# KiCad board EOutside.kicad_pcb (continued)
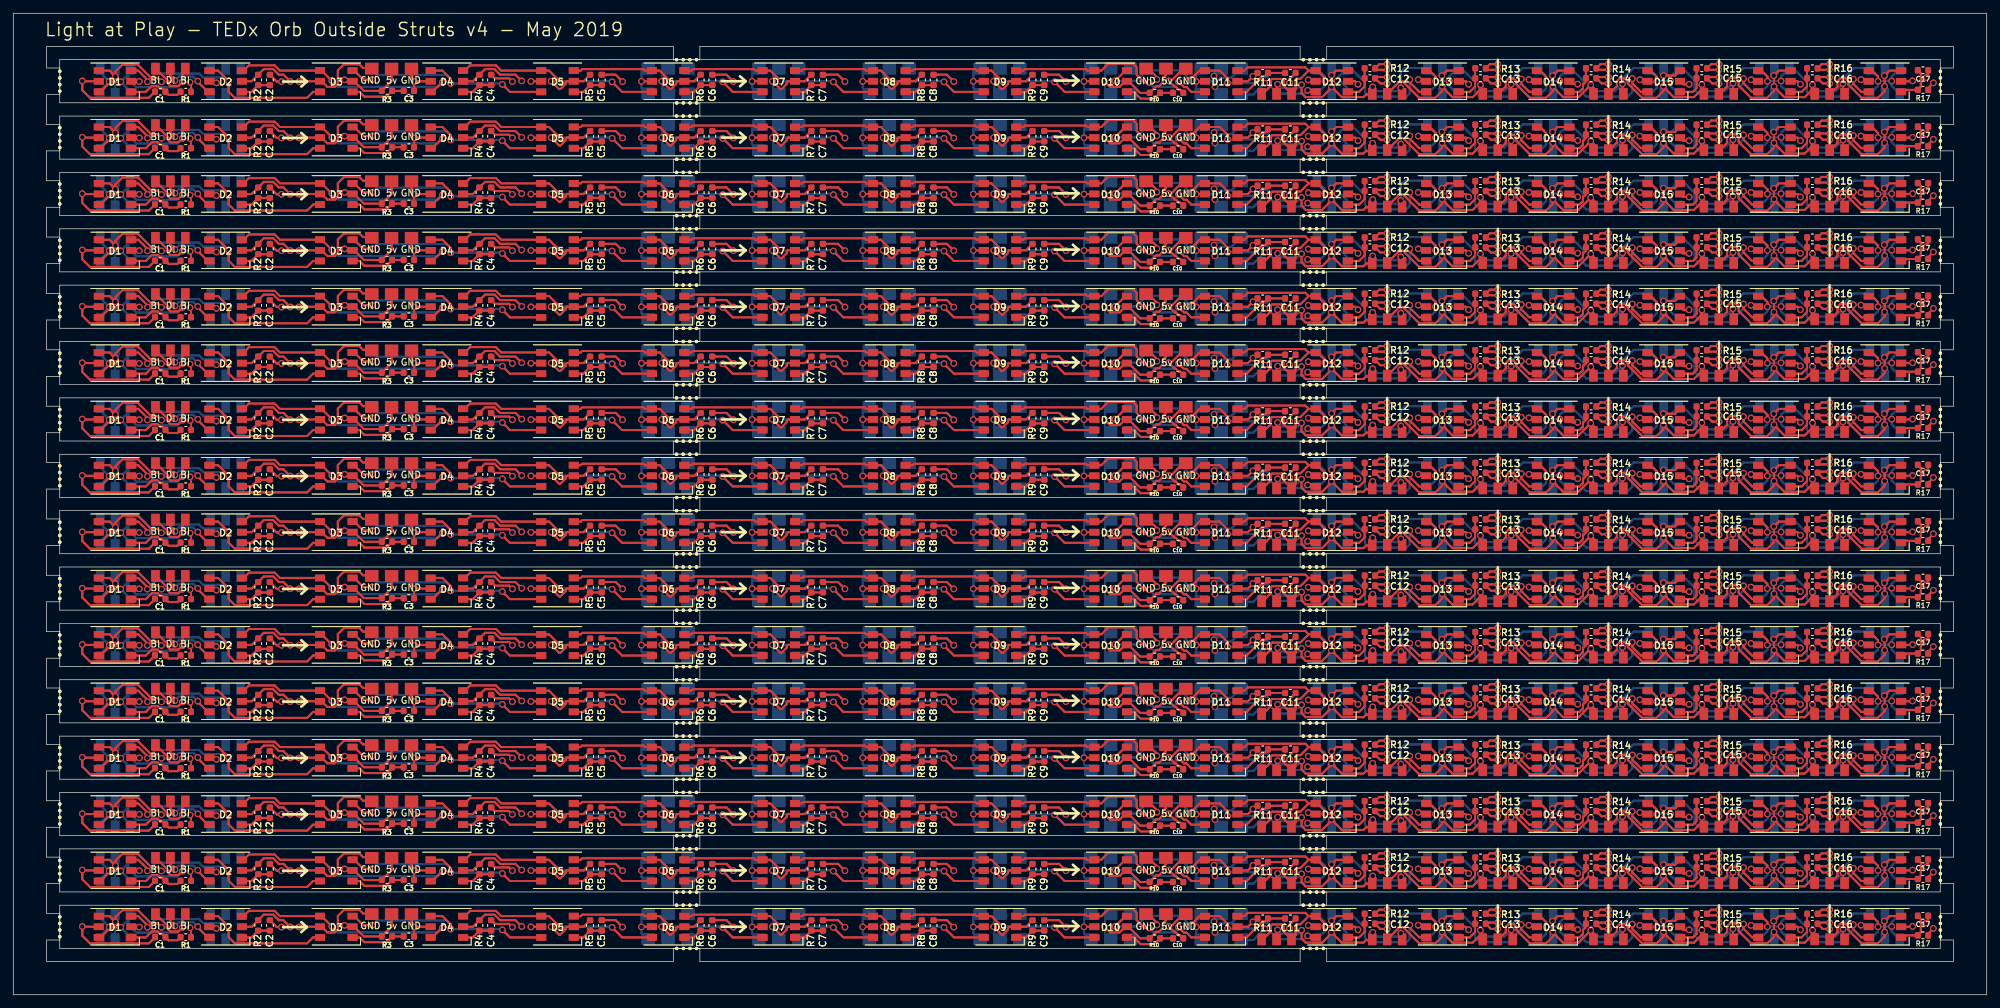
[diagram p0: board, top side]
## Routing (per net, layer and track width the routed paths; a pad name or vN(x,y) marks a point on that pad's centre or on a via; arc(x,y) is an arc through that point) (continued)
Net-(C1-Pad1): length 273.4
  Top w0.3: 24.74,127.21 R1#2.2 24.74,127.21 ; 24.74,127.21 23.4,127.21 ; 24.74,127.21 23.4,127.21 ; 23.39,127.22 C1#2.1 ; 23.39,127.22 23.4,127.21 ; 23.39,127.22 C1#2.1 ; 23.39,127.22 23.4,127.21 ; C1#2.1 22.47,128.14 ; C1#2.1 22.47,128.14 ; 22.47,128.14 22.16,128.14 ; 22.47,128.14 22.16,128.14 ; 22.16,128.14 21.75,128.56 ; 22.16,128.14 21.75,128.56 ; 21.75,128.56 20.88,128.56 ; 21.75,128.56 20.88,128.56 ; 19.97,127.65 20.88,128.56 ; 19.97,127.65 D1#2.1 19.97,127.65 ; 19.97,127.65 20.88,128.56 ; 24.74,118.71 R1#3.2 24.74,118.71 ; 24.74,118.71 23.4,118.71 ; 24.74,118.71 23.4,118.71 ; 23.39,118.72 C1#3.1 ; 23.39,118.72 23.4,118.71 ; 23.39,118.72 C1#3.1 ; 23.39,118.72 23.4,118.71 ; C1#3.1 22.47,119.64 ; C1#3.1 22.47,119.64 ; 22.47,119.64 22.16,119.64 ; 22.47,119.64 22.16,119.64 ; 22.16,119.64 21.75,120.06 ; 22.16,119.64 21.75,120.06 ; 21.75,120.06 20.88,120.06 ; 21.75,120.06 20.88,120.06 ; 19.97,119.15 20.88,120.06 ; 19.97,119.15 D1#4.1 19.97,119.15 ; 19.97,119.15 20.88,120.06 ; 24.74,110.21 R1#4.2 24.74,110.21 ; 24.74,110.21 23.4,110.21 ; 24.74,110.21 23.4,110.21 ; 23.39,110.22 C1#4.1 ; 23.39,110.22 23.4,110.21 ; 23.39,110.22 C1#4.1 ; 23.39,110.22 23.4,110.21 ; C1#4.1 22.47,111.14 ; C1#4.1 22.47,111.14 ; 22.47,111.14 22.16,111.14 ; 22.47,111.14 22.16,111.14 ; 22.16,111.14 21.75,111.56 ; 22.16,111.14 21.75,111.56 ; 21.75,111.56 20.88,111.56 ; 21.75,111.56 20.88,111.56 ; 19.97,110.65 20.88,111.56 ; 19.97,110.65 D1#3.1 19.97,110.65 ; 19.97,110.65 20.88,111.56 ; 24.74,135.71 R1.2 24.74,135.71 ; 24.74,135.71 23.4,135.71 ; 24.74,135.71 23.4,135.71 ; 23.39,135.72 C1.1 ; 23.39,135.72 23.4,135.71 ; 23.39,135.72 C1.1 ; 23.39,135.72 23.4,135.71 ; C1.1 22.47,136.64 ; C1.1 22.47,136.64 ; 22.47,136.64 22.16,136.64 ; 22.47,136.64 22.16,136.64 ; 22.16,136.64 21.75,137.06 ; 22.16,136.64 21.75,137.06 ; 21.75,137.06 20.88,137.06 ; 21.75,137.06 20.88,137.06 ; 19.97,136.15 20.88,137.06 ; 19.97,136.15 D1.1 19.97,136.15 ; 19.97,136.15 20.88,137.06 ; 24.74,101.71 R1#11.2 24.74,101.71 ; 24.74,101.71 23.4,101.71 ; 24.74,101.71 23.4,101.71 ; 23.39,101.72 C1#11.1 ; 23.39,101.72 23.4,101.71 ; 23.39,101.72 C1#11.1 ; 23.39,101.72 23.4,101.71 ; C1#11.1 22.47,102.64 ; C1#11.1 22.47,102.64 ; 22.47,102.64 22.16,102.64 ; 22.47,102.64 22.16,102.64 ; 22.16,102.64 21.75,103.06 ; 22.16,102.64 21.75,103.06 ; 21.75,103.06 20.88,103.06 ; 21.75,103.06 20.88,103.06 ; 19.97,102.15 20.88,103.06 ; 19.97,102.15 D1#14.1 19.97,102.15 ; 19.97,102.15 20.88,103.06 ; 24.74,93.21 R1#14.2 24.74,93.21 ; 24.74,93.21 23.4,93.21 ; 24.74,93.21 23.4,93.21 ; 23.39,93.22 C1#15.1 ; 23.39,93.22 23.4,93.21 ; 23.39,93.22 C1#15.1 ; 23.39,93.22 23.4,93.21 ; C1#15.1 22.47,94.14 ; C1#15.1 22.47,94.14 ; 22.47,94.14 22.16,94.14 ; 22.47,94.14 22.16,94.14 ; 22.16,94.14 21.75,94.56 ; 22.16,94.14 21.75,94.56 ; 21.75,94.56 20.88,94.56 ; 21.75,94.56 20.88,94.56 ; 19.97,93.65 20.88,94.56 ; 19.97,93.65 D1#11.1 19.97,93.65 ; 19.97,93.65 20.88,94.56 ; 24.74,76.21 R1#13.2 24.74,76.21 ; 24.74,76.21 23.4,76.21 ; 24.74,76.21 23.4,76.21 ; 23.39,76.22 C1#10.1 ; 23.39,76.22 23.4,76.21 ; 23.39,76.22 C1#10.1 ; 23.39,76.22 23.4,76.21 ; C1#10.1 22.47,77.14 ; C1#10.1 22.47,77.14 ; 22.47,77.14 22.16,77.14 ; 22.47,77.14 22.16,77.14 ; 22.16,77.14 21.75,77.56 ; 22.16,77.14 21.75,77.56 ; 21.75,77.56 20.88,77.56 ; 21.75,77.56 20.88,77.56 ; 19.97,76.65 20.88,77.56 ; 19.97,76.65 D1#9.1 19.97,76.65 ; 19.97,76.65 20.88,77.56 ; 24.74,84.71 R1#9.2 24.74,84.71 ; 24.74,84.71 23.4,84.71 ; 24.74,84.71 23.4,84.71 ; 23.39,84.72 C1#9.1 ; 23.39,84.72 23.4,84.71 ; 23.39,84.72 C1#9.1 ; 23.39,84.72 23.4,84.71 ; C1#9.1 22.47,85.64 ; C1#9.1 22.47,85.64 ; 22.47,85.64 22.16,85.64 ; 22.47,85.64 22.16,85.64 ; 22.16,85.64 21.75,86.06 ; 22.16,85.64 21.75,86.06 ; 21.75,86.06 20.88,86.06 ; 21.75,86.06 20.88,86.06 ; 19.97,85.15 20.88,86.06 ; 19.97,85.15 D1#10.1 19.97,85.15 ; 19.97,85.15 20.88,86.06 ; 24.74,67.71 R1#17.2 24.74,67.71 ; 24.74,67.71 23.4,67.71 ; 24.74,67.71 23.4,67.71 ; 23.39,67.72 C1#18.1 ; 23.39,67.72 23.4,67.71 ; 23.39,67.72 C1#18.1 ; 23.39,67.72 23.4,67.71 ; C1#18.1 22.47,68.64 ; C1#18.1 22.47,68.64 ; 22.47,68.64 22.16,68.64 ; 22.47,68.64 22.16,68.64 ; 22.16,68.64 21.75,69.06 ; 22.16,68.64 21.75,69.06 ; 21.75,69.06 20.88,69.06 ; 21.75,69.06 20.88,69.06 ; 19.97,68.15 20.88,69.06 ; 19.97,68.15 D1#20.1 19.97,68.15 ; 19.97,68.15 20.88,69.06 ; 24.74,59.21 R1#20.2 24.74,59.21 ; 24.74,59.21 23.4,59.21 ; 24.74,59.21 23.4,59.21 ; 23.39,59.22 C1#17.1 ; 23.39,59.22 23.4,59.21 ; 23.39,59.22 C1#17.1 ; 23.39,59.22 23.4,59.21 ; C1#17.1 22.47,60.14 ; C1#17.1 22.47,60.14 ; 22.47,60.14 22.16,60.14 ; 22.47,60.14 22.16,60.14 ; 22.16,60.14 21.75,60.56 ; 22.16,60.14 21.75,60.56 ; 21.75,60.56 20.88,60.56 ; 21.75,60.56 20.88,60.56 ; 19.97,59.65 20.88,60.56 ; 19.97,59.65 D1#17.1 19.97,59.65 ; 19.97,59.65 20.88,60.56 ; 24.74,42.21 R1#21.2 24.74,42.21 ; 24.74,42.21 23.4,42.21 ; 24.74,42.21 23.4,42.21 ; 23.39,42.22 C1#19.1 ; 23.39,42.22 23.4,42.21 ; 23.39,42.22 C1#19.1 ; 23.39,42.22 23.4,42.21 ; C1#19.1 22.47,43.14 ; C1#19.1 22.47,43.14 ; 22.47,43.14 22.16,43.14 ; 22.47,43.14 22.16,43.14 ; 22.16,43.14 21.75,43.56 ; 22.16,43.14 21.75,43.56 ; 21.75,43.56 20.88,43.56 ; 21.75,43.56 20.88,43.56 ; 19.97,42.65 20.88,43.56 ; 19.97,42.65 D1#18.1 19.97,42.65 ; 19.97,42.65 20.88,43.56 ; 24.74,50.71 R1#19.2 24.74,50.71 ; 24.74,50.71 23.4,50.71 ; 24.74,50.71 23.4,50.71 ; 23.39,50.72 C1#20.1 ; 23.39,50.72 23.4,50.71 ; 23.39,50.72 C1#20.1 ; 23.39,50.72 23.4,50.71 ; C1#20.1 22.47,51.64 ; C1#20.1 22.47,51.64 ; 22.47,51.64 22.16,51.64 ; 22.47,51.64 22.16,51.64 ; 22.16,51.64 21.75,52.06 ; 22.16,51.64 21.75,52.06 ; 21.75,52.06 20.88,52.06 ; 21.75,52.06 20.88,52.06 ; 19.97,51.15 20.88,52.06 ; 19.97,51.15 D1#22.1 19.97,51.15 ; 19.97,51.15 20.88,52.06 ; 24.74,25.21 R1#25.2 24.74,25.21 ; 24.74,25.21 23.4,25.21 ; 24.74,25.21 23.4,25.21 ; 23.39,25.22 C1#29.1 ; 23.39,25.22 23.4,25.21 ; 23.39,25.22 C1#29.1 ; 23.39,25.22 23.4,25.21 ; C1#29.1 22.47,26.14 ; C1#29.1 22.47,26.14 ; 22.47,26.14 22.16,26.14 ; 22.47,26.14 22.16,26.14 ; 22.16,26.14 21.75,26.56 ; 22.16,26.14 21.75,26.56 ; 21.75,26.56 20.88,26.56 ; 21.75,26.56 20.88,26.56 ; 19.97,25.65 20.88,26.56 ; 19.97,25.65 D1#27.1 19.97,25.65 ; 19.97,25.65 20.88,26.56 ; 24.74,33.71 R1#27.2 24.74,33.71 ; 24.74,33.71 23.4,33.71 ; 24.74,33.71 23.4,33.71 ; 23.39,33.72 C1#26.1 ; 23.39,33.72 23.4,33.71 ; 23.39,33.72 C1#26.1 ; 23.39,33.72 23.4,33.71 ; C1#26.1 22.47,34.64 ; C1#26.1 22.47,34.64 ; 22.47,34.64 22.16,34.64 ; 22.47,34.64 22.16,34.64 ; 22.16,34.64 21.75,35.06 ; 22.16,34.64 21.75,35.06 ; 21.75,35.06 20.88,35.06 ; 21.75,35.06 20.88,35.06 ; 19.97,34.15 20.88,35.06 ; 19.97,34.15 D1#25.1 19.97,34.15 ; 19.97,34.15 20.88,35.06 ; 24.74,16.71 R1#26.2 24.74,16.71 ; 24.74,16.71 23.4,16.71 ; 24.74,16.71 23.4,16.71 ; 23.39,16.72 C1#28.1 ; 23.39,16.72 23.4,16.71 ; 23.39,16.72 C1#28.1 ; 23.39,16.72 23.4,16.71 ; C1#28.1 22.47,17.64 ; C1#28.1 22.47,17.64 ; 22.47,17.64 22.16,17.64 ; 22.47,17.64 22.16,17.64 ; 22.16,17.64 21.75,18.06 ; 22.16,17.64 21.75,18.06 ; 21.75,18.06 20.88,18.06 ; 21.75,18.06 20.88,18.06 ; 19.97,17.15 20.88,18.06 ; 19.97,17.15 D1#28.1 19.97,17.15 ; 19.97,17.15 20.88,18.06 ; 24.74,8.21 R1#29.2 24.74,8.21 ; 24.74,8.21 23.4,8.21 ; 24.74,8.21 23.4,8.21 ; 23.39,8.22 C1#25.1 ; 23.39,8.22 23.4,8.21 ; 23.39,8.22 C1#25.1 ; 23.39,8.22 23.4,8.21 ; C1#25.1 22.47,9.14 ; C1#25.1 22.47,9.14 ; 22.47,9.14 22.16,9.14 ; 22.47,9.14 22.16,9.14 ; 22.16,9.14 21.75,9.56 ; 22.16,9.14 21.75,9.56 ; 21.75,9.56 20.88,9.56 ; 21.75,9.56 20.88,9.56 ; 19.97,8.65 20.88,9.56 ; 19.97,8.65 D1#26.1 19.97,8.65 ; 19.97,8.65 20.88,9.56
Net-(C2-Pad1): length 148.1
  Top w0.3: 35.89,136.15 D2.1 35.89,136.15 ; 35.89,136.15 R2.2 ; 35.89,136.15 R2.2 ; R2.2 C2.1 R2.2 ; 35.89,127.65 D2#2.1 35.89,127.65 ; 35.89,127.65 R2#2.2 ; 35.89,127.65 R2#2.2 ; R2#2.2 C2#2.1 R2#2.2 ; 35.89,119.15 D2#3.1 35.89,119.15 ; 35.89,119.15 R2#3.2 ; 35.89,119.15 R2#3.2 ; R2#3.2 C2#4.1 R2#3.2 ; 35.89,110.65 D2#4.1 35.89,110.65 ; 35.89,110.65 R2#4.2 ; 35.89,110.65 R2#4.2 ; R2#4.2 C2#3.1 R2#4.2 ; 35.89,102.15 D2#12.1 35.89,102.15 ; 35.89,102.15 R2#11.2 ; 35.89,102.15 R2#11.2 ; R2#11.2 C2#13.1 R2#11.2 ; 35.89,93.65 D2#14.1 35.89,93.65 ; 35.89,93.65 R2#14.2 ; 35.89,93.65 R2#14.2 ; R2#14.2 C2#12.1 R2#14.2 ; 35.89,76.65 D2#11.1 35.89,76.65 ; 35.89,76.65 R2#12.2 ; 35.89,76.65 R2#12.2 ; R2#12.2 C2#9.1 R2#12.2 ; 35.89,85.15 D2#9.1 35.89,85.15 ; 35.89,85.15 R2#9.2 ; 35.89,85.15 R2#9.2 ; R2#9.2 C2#10.1 R2#9.2 ; 35.89,68.15 D2#19.1 35.89,68.15 ; 35.89,68.15 R2#17.2 ; 35.89,68.15 R2#17.2 ; R2#17.2 C2#19.1 R2#17.2 ; 35.89,59.65 D2#20.1 35.89,59.65 ; 35.89,59.65 R2#20.2 ; 35.89,59.65 R2#20.2 ; R2#20.2 C2#18.1 R2#20.2 ; 35.89,42.65 D2#18.1 35.89,42.65 ; 35.89,42.65 R2#21.2 ; 35.89,42.65 R2#21.2 ; R2#21.2 C2#17.1 R2#21.2 ; 35.89,51.15 D2#17.1 35.89,51.15 ; 35.89,51.15 R2#19.2 ; 35.89,51.15 R2#19.2 ; R2#19.2 C2#23.1 R2#19.2 ; 35.89,25.65 D2#25.1 35.89,25.65 ; 35.89,25.65 R2#26.2 ; 35.89,25.65 R2#26.2 ; R2#26.2 C2#29.1 R2#26.2 ; 35.89,34.15 D2#30.1 35.89,34.15 ; 35.89,34.15 R2#28.2 ; 35.89,34.15 R2#28.2 ; R2#28.2 C2#25.1 R2#28.2 ; 35.89,17.15 D2#28.1 35.89,17.15 ; 35.89,17.15 R2#27.2 ; 35.89,17.15 R2#27.2 ; R2#27.2 C2#27.1 R2#27.2 ; 35.89,8.65 D2#26.1 35.89,8.65 ; 35.89,8.65 R2#25.2 ; 35.89,8.65 R2#25.2 ; R2#25.2 C2#26.1 R2#25.2
Net-(C3-Pad1): length 267.5
  Top w0.3: R3#2.2 C3#2.1 R3#2.2 ; R3#2.2 56.63,127.34 ; R3#2.2 56.63,127.34 ; 56.63,127.34 56.21,126.93 ; 56.63,127.34 56.21,126.93 ; 56.21,126.93 52.89,126.93 ; 56.21,126.93 52.89,126.93 ; 52.17,127.65 52.89,126.93 ; 52.17,127.65 D3#2.1 52.17,127.65 ; 52.17,127.65 52.89,126.93 ; R3#3.2 C3#4.1 R3#3.2 ; R3#3.2 56.63,118.84 ; R3#3.2 56.63,118.84 ; 56.63,118.84 56.21,118.43 ; 56.63,118.84 56.21,118.43 ; 56.21,118.43 52.89,118.43 ; 56.21,118.43 52.89,118.43 ; 52.17,119.15 52.89,118.43 ; 52.17,119.15 D3#3.1 52.17,119.15 ; 52.17,119.15 52.89,118.43 ; R3#4.2 C3#3.1 R3#4.2 ; R3#4.2 56.63,110.34 ; R3#4.2 56.63,110.34 ; 56.63,110.34 56.21,109.93 ; 56.63,110.34 56.21,109.93 ; 56.21,109.93 52.89,109.93 ; 56.21,109.93 52.89,109.93 ; 52.17,110.65 52.89,109.93 ; 52.17,110.65 D3#4.1 52.17,110.65 ; 52.17,110.65 52.89,109.93 ; R3.2 C3.1 R3.2 ; R3.2 56.63,135.84 ; R3.2 56.63,135.84 ; 56.63,135.84 56.21,135.43 ; 56.63,135.84 56.21,135.43 ; 56.21,135.43 52.89,135.43 ; 56.21,135.43 52.89,135.43 ; 52.17,136.15 52.89,135.43 ; 52.17,136.15 D3.1 52.17,136.15 ; 52.17,136.15 52.89,135.43 ; R3#13.2 C3#13.1 R3#13.2 ; R3#13.2 56.63,101.84 ; R3#13.2 56.63,101.84 ; 56.63,101.84 56.21,101.43 ; 56.63,101.84 56.21,101.43 ; 56.21,101.43 52.89,101.43 ; 56.21,101.43 52.89,101.43 ; 52.17,102.15 52.89,101.43 ; 52.17,102.15 D3#11.1 52.17,102.15 ; 52.17,102.15 52.89,101.43 ; R3#15.2 C3#12.1 R3#15.2 ; R3#15.2 56.63,93.34 ; R3#15.2 56.63,93.34 ; 56.63,93.34 56.21,92.93 ; 56.63,93.34 56.21,92.93 ; 56.21,92.93 52.89,92.93 ; 56.21,92.93 52.89,92.93 ; 52.17,93.65 52.89,92.93 ; 52.17,93.65 D3#13.1 52.17,93.65 ; 52.17,93.65 52.89,92.93 ; R3#10.2 C3#9.1 R3#10.2 ; R3#10.2 56.63,76.34 ; R3#10.2 56.63,76.34 ; 56.63,76.34 56.21,75.93 ; 56.63,76.34 56.21,75.93 ; 56.21,75.93 52.89,75.93 ; 56.21,75.93 52.89,75.93 ; 52.17,76.65 52.89,75.93 ; 52.17,76.65 D3#10.1 52.17,76.65 ; 52.17,76.65 52.89,75.93 ; R3#9.2 C3#10.1 R3#9.2 ; R3#9.2 56.63,84.84 ; R3#9.2 56.63,84.84 ; 56.63,84.84 56.21,84.43 ; 56.63,84.84 56.21,84.43 ; 56.21,84.43 52.89,84.43 ; 56.21,84.43 52.89,84.43 ; 52.17,85.15 52.89,84.43 ; 52.17,85.15 D3#9.1 52.17,85.15 ; 52.17,85.15 52.89,84.43 ; R3#17.2 C3#19.1 R3#17.2 ; R3#17.2 56.63,67.84 ; R3#17.2 56.63,67.84 ; 56.63,67.84 56.21,67.43 ; 56.63,67.84 56.21,67.43 ; 56.21,67.43 52.89,67.43 ; 56.21,67.43 52.89,67.43 ; 52.17,68.15 52.89,67.43 ; 52.17,68.15 D3#18.1 52.17,68.15 ; 52.17,68.15 52.89,67.43 ; R3#22.2 C3#18.1 R3#22.2 ; R3#22.2 56.63,59.34 ; R3#22.2 56.63,59.34 ; 56.63,59.34 56.21,58.93 ; 56.63,59.34 56.21,58.93 ; 56.21,58.93 52.89,58.93 ; 56.21,58.93 52.89,58.93 ; 52.17,59.65 52.89,58.93 ; 52.17,59.65 D3#19.1 52.17,59.65 ; 52.17,59.65 52.89,58.93 ; R3#18.2 C3#17.1 R3#18.2 ; R3#18.2 56.63,42.34 ; R3#18.2 56.63,42.34 ; 56.63,42.34 56.21,41.93 ; 56.63,42.34 56.21,41.93 ; 56.21,41.93 52.89,41.93 ; 56.21,41.93 52.89,41.93 ; 52.17,42.65 52.89,41.93 ; 52.17,42.65 D3#17.1 52.17,42.65 ; 52.17,42.65 52.89,41.93 ; R3#19.2 C3#23.1 R3#19.2 ; R3#19.2 56.63,50.84 ; R3#19.2 56.63,50.84 ; 56.63,50.84 56.21,50.43 ; 56.63,50.84 56.21,50.43 ; 56.21,50.43 52.89,50.43 ; 56.21,50.43 52.89,50.43 ; 52.17,51.15 52.89,50.43 ; 52.17,51.15 D3#23.1 52.17,51.15 ; 52.17,51.15 52.89,50.43 ; R3#28.2 C3#28.1 R3#28.2 ; R3#28.2 56.63,25.34 ; R3#28.2 56.63,25.34 ; 56.63,25.34 56.21,24.93 ; 56.63,25.34 56.21,24.93 ; 56.21,24.93 52.89,24.93 ; 56.21,24.93 52.89,24.93 ; 52.17,25.65 52.89,24.93 ; 52.17,25.65 D3#25.1 52.17,25.65 ; 52.17,25.65 52.89,24.93 ; R3#25.2 C3#25.1 R3#25.2 ; R3#25.2 56.63,33.84 ; R3#25.2 56.63,33.84 ; 56.63,33.84 56.21,33.43 ; 56.63,33.84 56.21,33.43 ; 56.21,33.43 52.89,33.43 ; 56.21,33.43 52.89,33.43 ; 52.17,34.15 52.89,33.43 ; 52.17,34.15 D3#27.1 52.17,34.15 ; 52.17,34.15 52.89,33.43 ; R3#27.2 C3#27.1 R3#27.2 ; R3#27.2 56.63,16.84 ; R3#27.2 56.63,16.84 ; 56.63,16.84 56.21,16.43 ; 56.63,16.84 56.21,16.43 ; 56.21,16.43 52.89,16.43 ; 56.21,16.43 52.89,16.43 ; 52.17,17.15 52.89,16.43 ; 52.17,17.15 D3#26.1 52.17,17.15 ; 52.17,17.15 52.89,16.43 ; R3#26.2 C3#26.1 R3#26.2 ; R3#26.2 56.63,8.34 ; R3#26.2 56.63,8.34 ; 56.63,8.34 56.21,7.93 ; 56.63,8.34 56.21,7.93 ; 56.21,7.93 52.89,7.93 ; 56.21,7.93 52.89,7.93 ; 52.17,8.65 52.89,7.93 ; 52.17,8.65 D3#28.1 52.17,8.65 ; 52.17,8.65 52.89,7.93
Net-(C4-Pad1): length 148.1
  Top w0.3: 69.22,136.15 D4.1 69.22,136.15 ; 69.22,136.15 R4.2 ; 69.22,136.15 R4.2 ; R4.2 C4.1 R4.2 ; 69.22,127.65 D4#2.1 69.22,127.65 ; 69.22,127.65 R4#2.2 ; 69.22,127.65 R4#2.2 ; R4#2.2 C4#2.1 R4#2.2 ; 69.22,119.15 D4#3.1 69.22,119.15 ; 69.22,119.15 R4#3.2 ; 69.22,119.15 R4#3.2 ; R4#3.2 C4#4.1 R4#3.2 ; 69.22,110.65 D4#4.1 69.22,110.65 ; 69.22,110.65 R4#4.2 ; 69.22,110.65 R4#4.2 ; R4#4.2 C4#3.1 R4#4.2 ; 69.22,102.15 D4#10.1 69.22,102.15 ; 69.22,102.15 R4#12.2 ; 69.22,102.15 R4#12.2 ; R4#12.2 C4#13.1 R4#12.2 ; 69.22,93.65 D4#11.1 69.22,93.65 ; 69.22,93.65 R4#15.2 ; 69.22,93.65 R4#15.2 ; R4#15.2 C4#12.1 R4#15.2 ; 69.22,76.65 D4#14.1 69.22,76.65 ; 69.22,76.65 R4#10.2 ; 69.22,76.65 R4#10.2 ; R4#10.2 C4#9.1 R4#10.2 ; 69.22,85.15 D4#9.1 69.22,85.15 ; 69.22,85.15 R4#9.2 ; 69.22,85.15 R4#9.2 ; R4#9.2 C4#10.1 R4#9.2 ; 69.22,68.15 D4#19.1 69.22,68.15 ; 69.22,68.15 R4#19.2 ; 69.22,68.15 R4#19.2 ; R4#19.2 C4#19.1 R4#19.2 ; 69.22,59.65 D4#17.1 69.22,59.65 ; 69.22,59.65 R4#22.2 ; 69.22,59.65 R4#22.2 ; R4#22.2 C4#18.1 R4#22.2 ; 69.22,42.65 D4#21.1 69.22,42.65 ; 69.22,42.65 R4#21.2 ; 69.22,42.65 R4#21.2 ; R4#21.2 C4#17.1 R4#21.2 ; 69.22,51.15 D4#18.1 69.22,51.15 ; 69.22,51.15 R4#17.2 ; 69.22,51.15 R4#17.2 ; R4#17.2 C4#22.1 R4#17.2 ; 69.22,25.65 D4#25.1 69.22,25.65 ; 69.22,25.65 R4#27.2 ; 69.22,25.65 R4#27.2 ; R4#27.2 C4#26.1 R4#27.2 ; 69.22,34.15 D4#26.1 69.22,34.15 ; 69.22,34.15 R4#25.2 ; 69.22,34.15 R4#25.2 ; R4#25.2 C4#25.1 R4#25.2 ; 69.22,17.15 D4#30.1 69.22,17.15 ; 69.22,17.15 R4#26.2 ; 69.22,17.15 R4#26.2 ; R4#26.2 C4#28.1 R4#26.2 ; 69.22,8.65 D4#29.1 69.22,8.65 ; 69.22,8.65 R4#28.2 ; 69.22,8.65 R4#28.2 ; R4#28.2 C4#27.1 R4#28.2
Net-(C5-Pad1): length 148.1
  Top w0.3: 85.89,136.15 D5.1 85.89,136.15 ; 85.89,136.15 R5.2 ; 85.89,136.15 R5.2 ; R5.2 C5.1 R5.2 ; 85.89,127.65 D5#2.1 85.89,127.65 ; 85.89,127.65 R5#2.2 ; 85.89,127.65 R5#2.2 ; R5#2.2 C5#2.1 R5#2.2 ; 85.89,119.15 D5#3.1 85.89,119.15 ; 85.89,119.15 R5#3.2 ; 85.89,119.15 R5#3.2 ; R5#3.2 C5#4.1 R5#3.2 ; 85.89,110.65 D5#4.1 85.89,110.65 ; 85.89,110.65 R5#4.2 ; 85.89,110.65 R5#4.2 ; R5#4.2 C5#3.1 R5#4.2 ; 85.89,102.15 D5#11.1 85.89,102.15 ; 85.89,102.15 R5#12.2 ; 85.89,102.15 R5#12.2 ; R5#12.2 C5#13.1 R5#12.2 ; 85.89,93.65 D5#15.1 85.89,93.65 ; 85.89,93.65 R5#15.2 ; 85.89,93.65 R5#15.2 ; R5#15.2 C5#12.1 R5#15.2 ; 85.89,76.65 D5#9.1 85.89,76.65 ; 85.89,76.65 R5#10.2 ; 85.89,76.65 R5#10.2 ; R5#10.2 C5#9.1 R5#10.2 ; 85.89,85.15 D5#10.1 85.89,85.15 ; 85.89,85.15 R5#9.2 ; 85.89,85.15 R5#9.2 ; R5#9.2 C5#10.1 R5#9.2 ; 85.89,68.15 D5#19.1 85.89,68.15 ; 85.89,68.15 R5#18.2 ; 85.89,68.15 R5#18.2 ; R5#18.2 C5#20.1 R5#18.2 ; 85.89,59.65 D5#22.1 85.89,59.65 ; 85.89,59.65 R5#21.2 ; 85.89,59.65 R5#21.2 ; R5#21.2 C5#17.1 R5#21.2 ; 85.89,42.65 D5#17.1 85.89,42.65 ; 85.89,42.65 R5#19.2 ; 85.89,42.65 R5#19.2 ; R5#19.2 C5#18.1 R5#19.2 ; 85.89,51.15 D5#18.1 85.89,51.15 ; 85.89,51.15 R5#17.2 ; 85.89,51.15 R5#17.2 ; R5#17.2 C5#22.1 R5#17.2 ; 85.89,25.65 D5#26.1 85.89,25.65 ; 85.89,25.65 R5#29.2 ; 85.89,25.65 R5#29.2 ; R5#29.2 C5#27.1 R5#29.2 ; 85.89,8.65 D5#27.1 85.89,8.65 ; 85.89,8.65 R5#25.2 ; 85.89,8.65 R5#25.2 ; 85.89,34.15 D5#29.1 85.89,34.15 ; 85.89,34.15 R5#26.2 ; 85.89,34.15 R5#26.2 ; R5#26.2 C5#26.1 R5#26.2 ; 85.89,17.15 D5#25.1 85.89,17.15 ; 85.89,17.15 R5#27.2 ; 85.89,17.15 R5#27.2 ; R5#27.2 C5#29.1 R5#27.2 ; R5#25.2 C5#25.1 R5#25.2
Net-(C6-Pad1): length 148.1
  Top w0.3: 102.55,136.15 D6.1 102.55,136.15 ; 102.55,136.15 R6.2 ; 102.55,136.15 R6.2 ; R6.2 C6.1 R6.2 ; 102.55,127.65 D6#2.1 102.55,127.65 ; 102.55,127.65 R6#2.2 ; 102.55,127.65 R6#2.2 ; R6#2.2 C6#2.1 R6#2.2 ; 102.55,119.15 D6#4.1 102.55,119.15 ; 102.55,119.15 R6#3.2 ; 102.55,119.15 R6#3.2 ; R6#3.2 C6#3.1 R6#3.2 ; 102.55,110.65 D6#3.1 102.55,110.65 ; 102.55,110.65 R6#4.2 ; 102.55,110.65 R6#4.2 ; R6#4.2 C6#4.1 R6#4.2 ; 102.55,102.15 D6#14.1 102.55,102.15 ; 102.55,102.15 R6#12.2 ; 102.55,102.15 R6#12.2 ; R6#12.2 C6#12.1 R6#12.2 ; 102.55,93.65 D6#13.1 102.55,93.65 ; 102.55,93.65 R6#15.2 ; 102.55,93.65 R6#15.2 ; R6#15.2 C6#14.1 R6#15.2 ; 102.55,76.65 D6#9.1 102.55,76.65 ; 102.55,76.65 R6#10.2 ; 102.55,76.65 R6#10.2 ; R6#10.2 C6#10.1 R6#10.2 ; 102.55,85.15 D6#10.1 102.55,85.15 ; 102.55,85.15 R6#9.2 ; 102.55,85.15 R6#9.2 ; R6#9.2 C6#9.1 R6#9.2 ; 102.55,68.15 D6#20.1 102.55,68.15 ; 102.55,68.15 R6#18.2 ; 102.55,68.15 R6#18.2 ; R6#18.2 C6#18.1 R6#18.2 ; 102.55,59.65 D6#19.1 102.55,59.65 ; 102.55,59.65 R6#20.2 ; 102.55,59.65 R6#20.2 ; R6#20.2 C6#19.1 R6#20.2 ; 102.55,42.65 D6#18.1 102.55,42.65 ; 102.55,42.65 R6#19.2 ; 102.55,42.65 R6#19.2 ; R6#19.2 C6#17.1 R6#19.2 ; 102.55,51.15 D6#17.1 102.55,51.15 ; 102.55,51.15 R6#17.2 ; 102.55,51.15 R6#17.2 ; R6#17.2 C6#22.1 R6#17.2 ; 102.55,25.65 D6#27.1 102.55,25.65 ; 102.55,25.65 R6#29.2 ; 102.55,25.65 R6#29.2 ; R6#29.2 C6#26.1 R6#29.2 ; 102.55,8.65 D6#28.1 102.55,8.65 ; 102.55,8.65 R6#25.2 ; 102.55,8.65 R6#25.2 ; R6#25.2 C6#25.1 R6#25.2 ; 102.55,34.15 D6#26.1 102.55,34.15 ; 102.55,34.15 R6#31.2 ; 102.55,34.15 R6#31.2 ; R6#31.2 C6#28.1 R6#31.2 ; 102.55,17.15 D6#25.1 102.55,17.15 ; 102.55,17.15 R6#26.2 ; 102.55,17.15 R6#26.2 ; R6#26.2 C6#30.1 R6#26.2
Net-(C7-Pad1): length 148.1
  Top w0.3: 119.22,136.15 D7.1 119.22,136.15 ; 119.22,136.15 R7.2 ; 119.22,136.15 R7.2 ; R7.2 C7.1 R7.2 ; 119.22,127.65 D7#2.1 119.22,127.65 ; 119.22,127.65 R7#2.2 ; 119.22,127.65 R7#2.2 ; R7#2.2 C7#2.1 R7#2.2 ; 119.22,119.15 D7#3.1 119.22,119.15 ; 119.22,119.15 R7#3.2 ; 119.22,119.15 R7#3.2 ; R7#3.2 C7#3.1 R7#3.2 ; R7#4.2 C7#4.1 R7#4.2 ; R7#4.2 119.22,110.65 ; R7#4.2 119.22,110.65 ; 119.22,110.65 D7#4.1 119.22,110.65 ; 119.22,102.15 D7#13.1 119.22,102.15 ; 119.22,102.15 R7#12.2 ; 119.22,102.15 R7#12.2 ; R7#12.2 C7#12.1 R7#12.2 ; R7#15.2 C7#14.1 R7#15.2 ; R7#15.2 119.22,93.65 ; R7#15.2 119.22,93.65 ; 119.22,93.65 D7#15.1 119.22,93.65 ; R7#10.2 C7#10.1 R7#10.2 ; R7#10.2 119.22,76.65 ; R7#10.2 119.22,76.65 ; 119.22,76.65 D7#10.1 119.22,76.65 ; 119.22,85.15 D7#9.1 119.22,85.15 ; 119.22,85.15 R7#9.2 ; 119.22,85.15 R7#9.2 ; R7#9.2 C7#9.1 R7#9.2 ; 119.22,68.15 D7#17.1 119.22,68.15 ; 119.22,68.15 R7#18.2 ; 119.22,68.15 R7#18.2 ; R7#18.2 C7#18.1 R7#18.2 ; R7#21.2 C7#20.1 R7#21.2 ; R7#21.2 119.22,59.65 ; R7#21.2 119.22,59.65 ; 119.22,59.65 D7#21.1 119.22,59.65 ; R7#19.2 C7#17.1 R7#19.2 ; R7#19.2 119.22,42.65 ; R7#19.2 119.22,42.65 ; 119.22,42.65 D7#18.1 119.22,42.65 ; 119.22,51.15 D7#22.1 119.22,51.15 ; 119.22,51.15 R7#17.2 ; 119.22,51.15 R7#17.2 ; R7#17.2 C7#23.1 R7#17.2 ; R7#29.2 C7#26.1 R7#29.2 ; R7#29.2 119.22,25.65 ; R7#29.2 119.22,25.65 ; 119.22,25.65 D7#28.1 119.22,25.65 ; R7#25.2 C7#25.1 R7#25.2 ; R7#25.2 119.22,8.65 ; R7#25.2 119.22,8.65 ; 119.22,8.65 D7#27.1 119.22,8.65 ; 119.22,34.15 D7#25.1 119.22,34.15 ; 119.22,34.15 R7#30.2 ; 119.22,34.15 R7#30.2 ; R7#30.2 C7#28.1 R7#30.2 ; 119.22,17.15 D7#29.1 119.22,17.15 ; 119.22,17.15 R7#27.2 ; 119.22,17.15 R7#27.2 ; R7#27.2 C7#30.1 R7#27.2
Net-(C8-Pad1): length 148.1
  Top w0.3: 135.89,136.15 D8.1 135.89,136.15 ; 135.89,136.15 R8.2 ; 135.89,136.15 R8.2 ; R8.2 C8.1 R8.2 ; 135.89,127.65 D8#2.1 135.89,127.65 ; 135.89,127.65 R8#2.2 ; 135.89,127.65 R8#2.2 ; R8#2.2 C8#2.1 R8#2.2 ; 135.89,119.15 D8#3.1 135.89,119.15 ; 135.89,119.15 R8#3.2 ; 135.89,119.15 R8#3.2 ; R8#3.2 C8#3.1 R8#3.2 ; 135.89,110.65 D8#4.1 135.89,110.65 ; 135.89,110.65 R8#4.2 ; 135.89,110.65 R8#4.2 ; R8#4.2 C8#4.1 R8#4.2 ; 135.89,102.15 D8#13.1 135.89,102.15 ; 135.89,102.15 R8#12.2 ; 135.89,102.15 R8#12.2 ; R8#12.2 C8#12.1 R8#12.2 ; 135.89,93.65 D8#15.1 135.89,93.65 ; 135.89,93.65 R8#15.2 ; 135.89,93.65 R8#15.2 ; R8#15.2 C8#14.1 R8#15.2 ; 135.89,76.65 D8#10.1 135.89,76.65 ; 135.89,76.65 R8#10.2 ; 135.89,76.65 R8#10.2 ; R8#10.2 C8#10.1 R8#10.2 ; 135.89,85.15 D8#9.1 135.89,85.15 ; 135.89,85.15 R8#9.2 ; 135.89,85.15 R8#9.2 ; R8#9.2 C8#9.1 R8#9.2 ; 135.89,68.15 D8#17.1 135.89,68.15 ; 135.89,68.15 R8#18.2 ; 135.89,68.15 R8#18.2 ; R8#18.2 C8#19.1 R8#18.2 ; 135.89,59.65 D8#21.1 135.89,59.65 ; 135.89,59.65 R8#22.2 ; 135.89,59.65 R8#22.2 ; R8#22.2 C8#20.1 R8#22.2 ; 135.89,42.65 D8#19.1 135.89,42.65 ; 135.89,42.65 R8#20.2 ; 135.89,42.65 R8#20.2 ; R8#20.2 C8#18.1 R8#20.2 ; 135.89,51.15 D8#18.1 135.89,51.15 ; 135.89,51.15 R8#17.2 ; 135.89,51.15 R8#17.2 ; R8#17.2 C8#17.1 R8#17.2 ; 135.89,25.65 D8#25.1 135.89,25.65 ; 135.89,25.65 R8#28.2 ; 135.89,25.65 R8#28.2 ; R8#28.2 C8#26.1 R8#28.2 ; 135.89,8.65 D8#28.1 135.89,8.65 ; 135.89,8.65 R8#25.2 ; 135.89,8.65 R8#25.2 ; R8#25.2 C8#25.1 R8#25.2 ; 135.89,34.15 D8#27.1 135.89,34.15 ; 135.89,34.15 R8#30.2 ; 135.89,34.15 R8#30.2 ; R8#30.2 C8#29.1 R8#30.2 ; 135.89,17.15 D8#26.1 135.89,17.15 ; 135.89,17.15 R8#27.2 ; 135.89,17.15 R8#27.2 ; R8#27.2 C8#28.1 R8#27.2
Net-(C9-Pad1): length 148.1
  Top w0.3: 152.55,136.15 D9.1 152.55,136.15 ; 152.55,136.15 R9.2 ; 152.55,136.15 R9.2 ; R9.2 C9.1 R9.2 ; 152.55,127.65 D9#2.1 152.55,127.65 ; 152.55,127.65 R9#2.2 ; 152.55,127.65 R9#2.2 ; R9#2.2 C9#2.1 R9#2.2 ; 152.55,119.15 D9#3.1 152.55,119.15 ; 152.55,119.15 R9#4.2 ; 152.55,119.15 R9#4.2 ; R9#4.2 C9#3.1 R9#4.2 ; 152.55,110.65 D9#4.1 152.55,110.65 ; 152.55,110.65 R9#3.2 ; 152.55,110.65 R9#3.2 ; R9#3.2 C9#4.1 R9#3.2 ; 152.55,102.15 D9#11.1 152.55,102.15 ; 152.55,102.15 R9#14.2 ; 152.55,102.15 R9#14.2 ; R9#14.2 C9#12.1 R9#14.2 ; 152.55,93.65 D9#14.1 152.55,93.65 ; 152.55,93.65 R9#13.2 ; 152.55,93.65 R9#13.2 ; R9#13.2 C9#14.1 R9#13.2 ; 152.55,76.65 D9#12.1 152.55,76.65 ; 152.55,76.65 R9#9.2 ; 152.55,76.65 R9#9.2 ; R9#9.2 C9#10.1 R9#9.2 ; 152.55,85.15 D9#9.1 152.55,85.15 ; 152.55,85.15 R9#10.2 ; 152.55,85.15 R9#10.2 ; R9#10.2 C9#9.1 R9#10.2 ; 152.55,68.15 D9#17.1 152.55,68.15 ; 152.55,68.15 R9#21.2 ; 152.55,68.15 R9#21.2 ; R9#21.2 C9#19.1 R9#21.2 ; 152.55,59.65 D9#21.1 152.55,59.65 ; 152.55,59.65 R9#20.2 ; 152.55,59.65 R9#20.2 ; R9#20.2 C9#20.1 R9#20.2 ; 152.55,42.65 D9#19.1 152.55,42.65 ; 152.55,42.65 R9#17.2 ; 152.55,42.65 R9#17.2 ; R9#17.2 C9#18.1 R9#17.2 ; 152.55,51.15 D9#18.1 152.55,51.15 ; 152.55,51.15 R9#19.2 ; 152.55,51.15 R9#19.2 ; R9#19.2 C9#17.1 R9#19.2 ; 152.55,25.65 D9#28.1 152.55,25.65 ; 152.55,25.65 R9#25.2 ; 152.55,25.65 R9#25.2 ; R9#25.2 C9#26.1 R9#25.2 ; 152.55,8.65 D9#26.1 152.55,8.65 ; 152.55,8.65 R9#26.2 ; 152.55,8.65 R9#26.2 ; R9#26.2 C9#25.1 R9#26.2 ; 152.55,34.15 D9#25.1 152.55,34.15 ; 152.55,34.15 R9#30.2 ; 152.55,34.15 R9#30.2 ; R9#30.2 C9#29.1 R9#30.2 ; 152.55,17.15 D9#29.1 152.55,17.15 ; 152.55,17.15 R9#27.2 ; 152.55,17.15 R9#27.2 ; R9#27.2 C9#28.1 R9#27.2
Net-(C10-Pad1): length 246.9
  Top w0.3: R10#2.2 C10#2.1 R10#2.2 ; R10#2.2 171.91,126.63 ; R10#2.2 171.91,126.63 ; 168.83,127.65 D10#2.1 168.83,127.65 ; 168.83,127.65 169.86,126.63 ; 168.83,127.65 169.86,126.63 ; 169.86,126.63 171.91,126.63 ; 169.86,126.63 171.91,126.63 ; R10#3.2 C10#3.1 R10#3.2 ; R10#3.2 171.91,118.13 ; R10#3.2 171.91,118.13 ; 168.83,119.15 D10#3.1 168.83,119.15 ; 168.83,119.15 169.86,118.13 ; 168.83,119.15 169.86,118.13 ; 169.86,118.13 171.91,118.13 ; 169.86,118.13 171.91,118.13 ; R10#4.2 C10#4.1 R10#4.2 ; R10#4.2 171.91,109.63 ; R10#4.2 171.91,109.63 ; 168.83,110.65 D10#4.1 168.83,110.65 ; 168.83,110.65 169.86,109.63 ; 168.83,110.65 169.86,109.63 ; 169.86,109.63 171.91,109.63 ; 169.86,109.63 171.91,109.63 ; R10.2 C10.1 R10.2 ; R10.2 171.91,135.13 ; R10.2 171.91,135.13 ; 168.83,136.15 D10.1 168.83,136.15 ; 168.83,136.15 169.86,135.13 ; 168.83,136.15 169.86,135.13 ; 169.86,135.13 171.91,135.13 ; 169.86,135.13 171.91,135.13 ; R10#9.2 C10#10.1 R10#9.2 ; R10#9.2 171.91,101.13 ; R10#9.2 171.91,101.13 ; 168.83,102.15 D10#13.1 168.83,102.15 ; 168.83,102.15 169.86,101.13 ; 168.83,102.15 169.86,101.13 ; 169.86,101.13 171.91,101.13 ; 169.86,101.13 171.91,101.13 ; R10#14.2 C10#11.1 R10#14.2 ; R10#14.2 171.91,92.63 ; R10#14.2 171.91,92.63 ; 168.83,93.65 D10#15.1 168.83,93.65 ; 168.83,93.65 169.86,92.63 ; 168.83,93.65 169.86,92.63 ; 169.86,92.63 171.91,92.63 ; 169.86,92.63 171.91,92.63 ; R10#10.2 171.91,75.63 ; R10#10.2 C10#12.1 R10#10.2 ; R10#10.2 171.91,75.63 ; 171.91,75.63 169.86,75.63 ; 171.91,75.63 169.86,75.63 ; 168.83,76.65 D10#10.1 168.83,76.65 ; 168.83,76.65 169.86,75.63 ; 168.83,76.65 169.86,75.63 ; R10#11.2 C10#9.1 R10#11.2 ; R10#11.2 171.91,84.13 ; R10#11.2 171.91,84.13 ; 168.83,85.15 D10#9.1 168.83,85.15 ; 168.83,85.15 169.86,84.13 ; 168.83,85.15 169.86,84.13 ; 169.86,84.13 171.91,84.13 ; 169.86,84.13 171.91,84.13 ; R10#17.2 C10#19.1 R10#17.2 ; R10#17.2 171.91,67.13 ; R10#17.2 171.91,67.13 ; 168.83,68.15 D10#17.1 168.83,68.15 ; 168.83,68.15 169.86,67.13 ; 168.83,68.15 169.86,67.13 ; 169.86,67.13 171.91,67.13 ; 169.86,67.13 171.91,67.13 ; R10#21.2 C10#17.1 R10#21.2 ; R10#21.2 171.91,58.63 ; R10#21.2 171.91,58.63 ; 168.83,59.65 D10#22.1 168.83,59.65 ; 168.83,59.65 169.86,58.63 ; 168.83,59.65 169.86,58.63 ; 169.86,58.63 171.91,58.63 ; 169.86,58.63 171.91,58.63 ; R10#18.2 171.91,41.63 ; R10#18.2 C10#20.1 R10#18.2 ; R10#18.2 171.91,41.63 ; 171.91,41.63 169.86,41.63 ; 171.91,41.63 169.86,41.63 ; 168.83,42.65 D10#19.1 168.83,42.65 ; 168.83,42.65 169.86,41.63 ; 168.83,42.65 169.86,41.63 ; R10#19.2 C10#18.1 R10#19.2 ; R10#19.2 171.91,50.13 ; R10#19.2 171.91,50.13 ; 168.83,51.15 D10#18.1 168.83,51.15 ; 168.83,51.15 169.86,50.13 ; 168.83,51.15 169.86,50.13 ; 169.86,50.13 171.91,50.13 ; 169.86,50.13 171.91,50.13 ; R10#25.2 C10#27.1 R10#25.2 ; R10#25.2 171.91,24.63 ; R10#25.2 171.91,24.63 ; 168.83,25.65 D10#29.1 168.83,25.65 ; 168.83,25.65 169.86,24.63 ; 168.83,25.65 169.86,24.63 ; 169.86,24.63 171.91,24.63 ; 169.86,24.63 171.91,24.63 ; R10#30.2 171.91,7.63 ; R10#30.2 C10#25.1 R10#30.2 ; R10#30.2 171.91,7.63 ; 171.91,7.63 169.86,7.63 ; 171.91,7.63 169.86,7.63 ; R10#27.2 C10#29.1 R10#27.2 ; R10#27.2 171.91,33.13 ; R10#27.2 171.91,33.13 ; 171.91,33.13 169.86,33.13 ; 171.91,33.13 169.86,33.13 ; 169.86,33.13 168.83,34.15 ; 169.86,33.13 168.83,34.15 ; 168.83,34.15 D10#25.1 168.83,34.15 ; R10#26.2 C10#28.1 R10#26.2 ; R10#26.2 171.91,16.13 ; R10#26.2 171.91,16.13 ; 168.83,17.15 D10#30.1 168.83,17.15 ; 168.83,17.15 169.86,16.13 ; 168.83,17.15 169.86,16.13 ; 169.86,16.13 171.91,16.13 ; 169.86,16.13 171.91,16.13 ; 168.83,8.65 D10#26.1 168.83,8.65 ; 168.83,8.65 169.86,7.63 ; 168.83,8.65 169.86,7.63